# Altium PCB PCB.PcbDoc (continued)
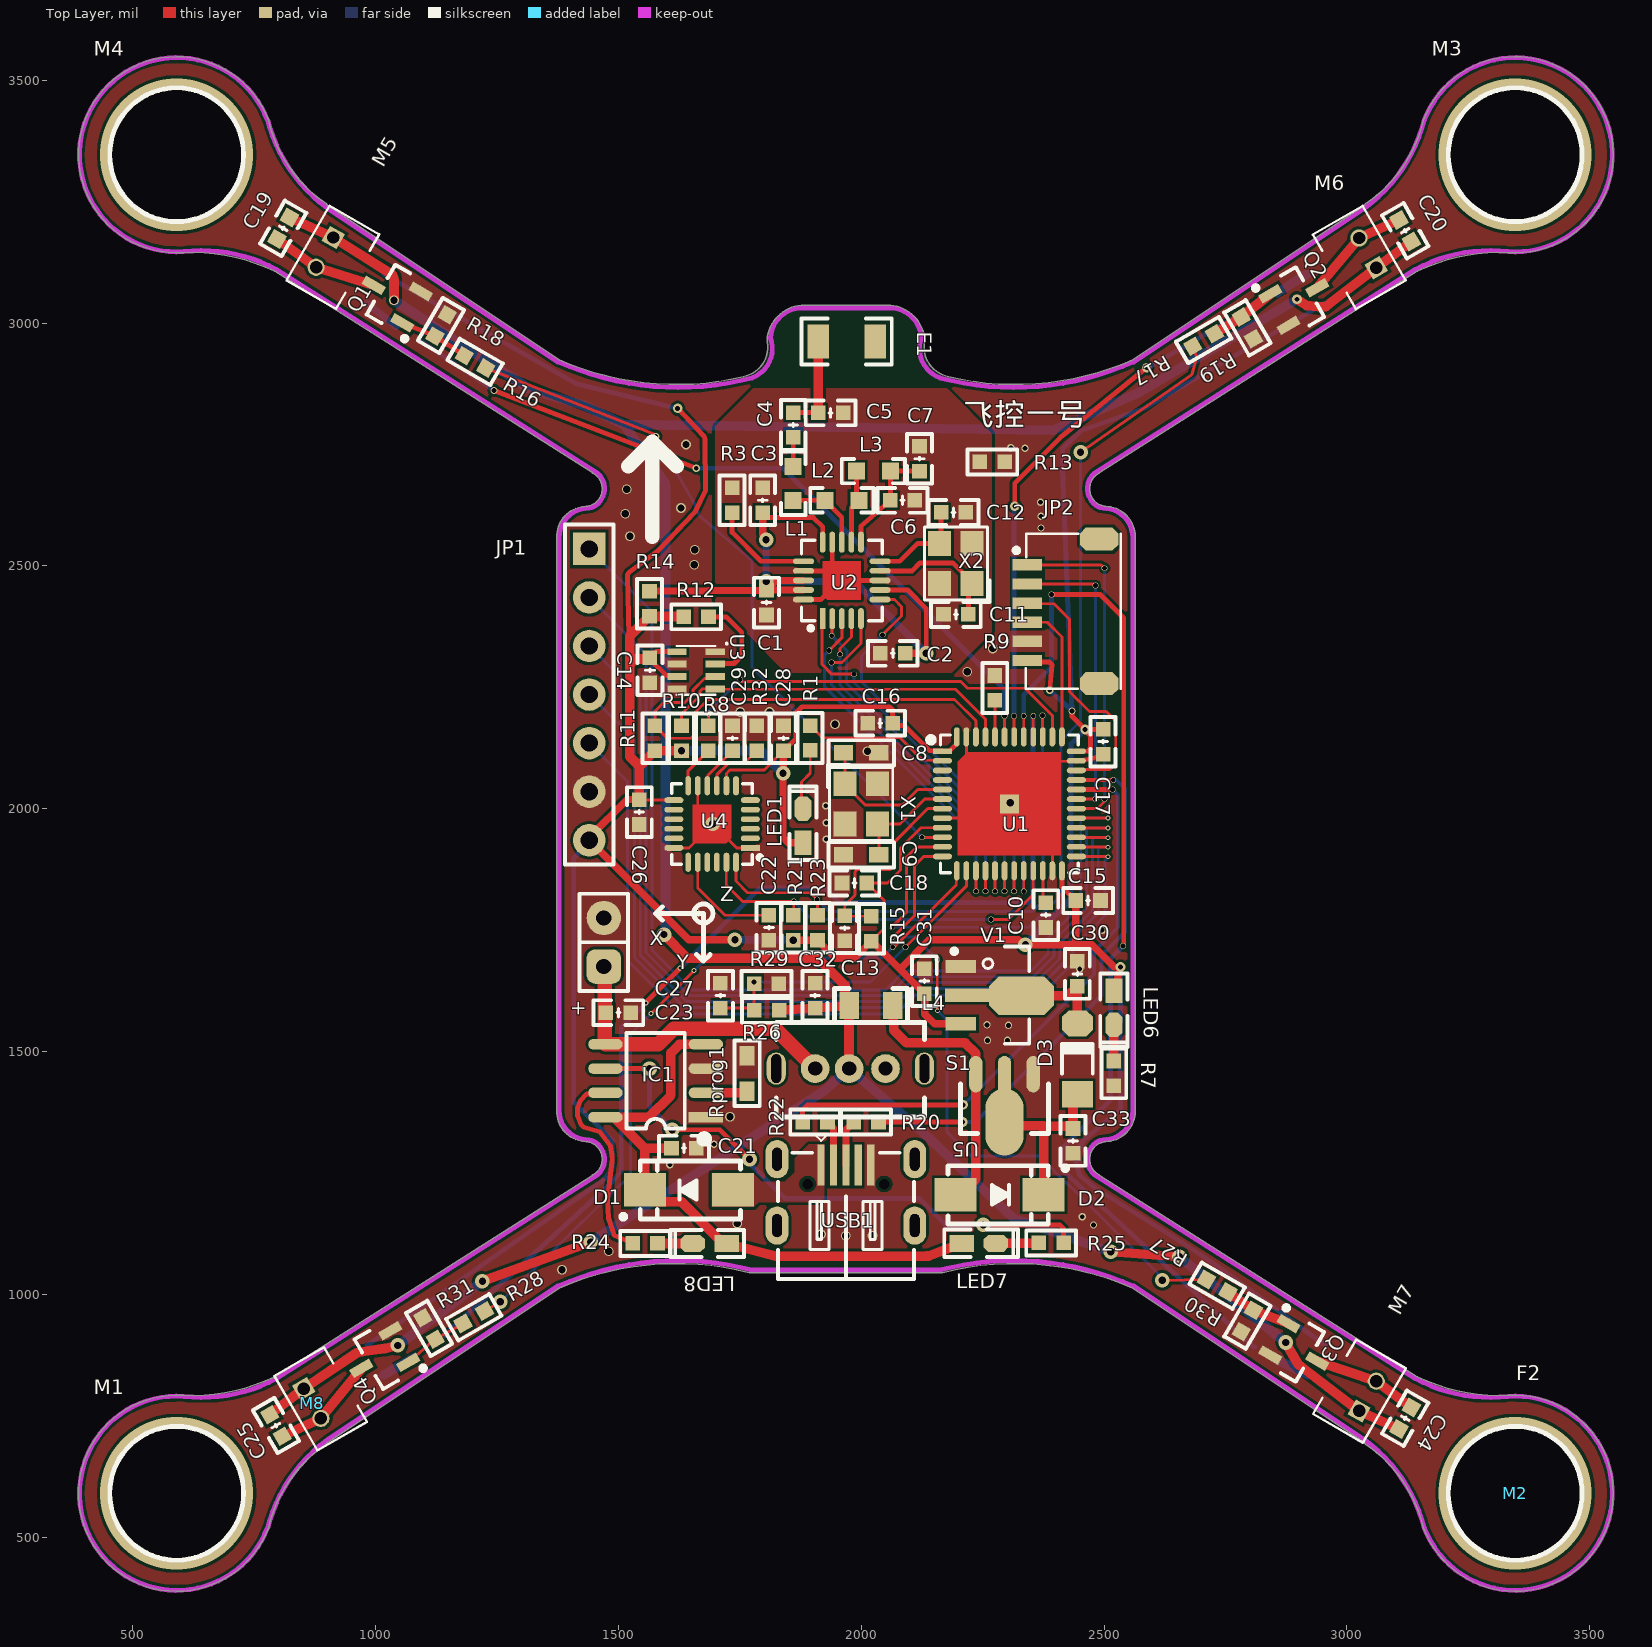
[diagram p0: Top Layer view]
## Footprints (in the part's own frame and the unit in brackets; to place one, negate y for a bottom-side part, rotate by r counter-clockwise, add the part's x,y. Pads: shape width x height; smd on the part's side, far side on the other; paste and mask are expansions set on the pad) (continued)
SMA [mm] "4.5x2.6*2.2mm（长宽高，不包括引脚）"
  rect 2.2x1.75 smd: 1(-2.3,0) 2(2.3,0)
  silkscreen extent -2.7,-1.52 3.56,1.52, body extent -2.53,-1.3 2.58,1.3, height 2.15
SOP8_N [mm] "5*6*1.8mm（长宽高）封装库来自淘宝卖家 ID：黄晶宝石"
  rect 1.8x0.55 smd: 1(-2.625,1.905)
  oval 1.8x0.55 smd: 2(-2.625,0.635) 3(-2.625,-0.635) 4(-2.625,-1.905) 5(2.625,-1.905) 6(2.625,-0.635) 7(2.625,0.635) 8(2.625,1.905)
  silkscreen extent -2.69,-2.5 1.52,3.2, body extent -3,-2.5 3,2.5, height 1.9
SOT23-3N [mm] "3x1.3x1mm(长宽高)    封装库来自淘宝卖家 ID：黄晶宝石"
  rect 0.5x1.2 smd: 1(-0.95,-1.143) 2(0.95,-1.143) 3(0,1.143)
  silkscreen extent -1.72,-1.78 1.5,0.7, body extent -1.5,-1.2 1.5,1.2, height 1.05
SOT89_M [mm] "4.6x4.3x1.6mm(长宽高) 封装库来自淘宝卖家 ID：黄晶宝石"
  rect 0.7x1.6 smd: 1(-1.5,-2.054) 3(1.5,-2.054)
  rect 0.7x2.4 smd: 2(0,-1.676)
  oct 2x3.4 smd: 2(0.025,1.118)
  silkscreen extent -2.54,-2.52 2.54,1.52, body extent -2.3,-2.4 2.3,1.9, height 1.6
SOT-89(SOT-89-3) [mm]
  oval 1.9x0.7 smd: 1(0,-1.5) 3(0,1.5)
  oval 3.5x2 smd: 2(-2.5,0)
  oval 2.1x0.7 smd: 2(-0.1,0)
  silkscreen extent -3.1,-2.3 -0.5,2.3, body extent -3.75,-2.25 0.55,2.25, height 1.51
SWITCH_PWR [mm]
  round 1.5 hole 0.75: 1(0,-2.032) 2(0,-3.81) 3(0,-5.715)
  oval 1.676x1 hole 0.5 slot 1.5 at 0 deg: ""(0,0) ""(0,-7.747)
  silkscreen extent -2.54,-7.75 2.41,0, body extent -1.85,-8.06 1.85,0.44, height 6.5
USB-MICRO_D [mm] "micro型USB ，6.7*7.5*2.5mm"
  oval 1.2x2 hole 0.5 slot 1.2 at 90 deg: 0(-3.6,0) 0(-3.6,3.47) 0(3.6,0) 0(3.6,3.47)
  round 0 hole 0.55 unplated: 0(-2,2.17) 0(2,2.17)
  rect 0.381x2.15 smd: 1(-1.3,3.16) 2(-0.65,3.16) 3(0,3.16) 4(0.65,3.16) 5(1.3,3.16)
  silkscreen extent -3.56,-2.79 3.56,4.81, body extent -3.99,-2.75 3.99,3.95, height 2.79

## Part data
+: "引线焊盘", BOM名称=引线焊盘, 版权归属="封装库来自淘宝 ID：黄晶宝石", 学习资源=https://shop463601444.taobao.com
C8 C9 C10 C13 C14 C15 C16 C17 C18 C19 C20 C21 C22 C23 C24 C25 C26 C27 C28 C29 C30 C31 C32 C33: library part C, "贴片电容", BOM名称=无极性贴片电容, 联系售后=https://shop463601444.taobao.com, 淘宝ID="封装库来自淘宝 ID：黄晶宝石"
D1 D2: "肖特基二极管", BOM名称=肖特基二极管, 封装库来自淘宝 ID：黄晶宝石=https://shop463601444.taobao.com, 属性=40V/1A
D3: "开关二极管", BOM名称=高速开关二极管, 欢迎光临=https://shop463601444.taobao.com, 淘宝ID="封装库来自淘宝 ID：黄晶宝石"
IC1: "锂电池充电管理", BOM名称=锂电池充电管理, 淘宝ID="封装库来自淘宝 ID：黄晶宝石", 学习资源=https://shop463601444.taobao.com
JP1: library part "Header 7", "7P接插件", BOM名称=7P接插件, 版权归属="封装库来自淘宝 ID：黄晶宝石", 学习资源=https://shop463601444.taobao.com
JP2: library part "Header 6", "6P接插件", BOM名称=6P接插件, 版权归属="封装库来自淘宝 ID：黄晶宝石", 学习资源=https://shop463601444.taobao.com
L1 L2 L3: library part Inductor_1, "电感", Code_IEC=1005, Code_JEITA=0402, LatestRevisionDate=17-Jul-2002, LatestRevisionNote="Re-released for DXP Platform.", PackageReference=0402-A, Published=8-Jun-2000, Publisher="Altium Limited"
L4: library part L, "小功率贴片电感", BOM名称=小功率贴片电感, 联系售后=https://shop463601444.taobao.com, 淘宝ID="封装库来自淘宝 ID：黄晶宝石"
LED1 LED2 LED3 LED4 LED5 LED6 LED7 LED8: library part LED-SMD, "贴片LED", BOM名称=贴片LED, 版权归属="封装库来自淘宝 ID：黄晶宝石", 学习资源=https://shop463601444.taobao.com
M5 M6 M7 M8: "Motor, General Kind", PackageReference=RB5-10.5, Published=8-August-2017, Publisher=mazhongwei
Q1 Q2 Q3 Q4: "N沟道场效应管", ="封装库来自淘宝 ID：黄晶宝石", BOM名称=N沟道场效应管, 学习资源=https://shop463601444.taobao.com
R1 R2 R4 R5 R6 R7 R8 R9 R10 R11 R12 R15 R16 R17 R18 R19 R20 R21 R22 R23 R24 R25 R26 R27 R28 R29 R30 R31 R32 Rprog1: library part R, "贴片电阻", BOM名称=贴片电阻, 版权归属="来自淘宝 ID：黄晶宝石", 联系售后=https://shop463601444.taobao.com
S1: "SPDT Subminiature Toggle Switch, Right Angle Mounting, Vertical Actuation", PackageReference=SWITCH_PWR, Published=10-August-2017, Publisher=mazhongwei
U2: library part nRF24L01
U3: library part FBM320, "气压计", PackageReference=LGA-2_5X2MM, Published=8-August-2017, Publisher=mazhongwei
USB1: "微型USB母座", BOM名称=微型USB母座, 学习资源=https://shop463601444.taobao.com
V1: library part HT71xx, "LDO线性稳压芯片", BOM名称=LDO线性稳压芯片, 版权归属="封装库来自淘宝 ID：黄晶宝石", 学习资源=https://shop463601444.taobao.com
X1 X2: library part XTAL-4P, "4脚无源晶振", BOM名称=4脚无源晶振, 版权归属=源创客, 学习资源=www.ooocke.com
C1 C2 C3 C4 C5 C6 C7 C11 C12: LatestRevisionDate=17-Jul-2002, LatestRevisionNote="Re-released for DXP Platform.", PackageDescription="Radial Cap, Thru-Hole; 2 Leads; 0.3 in Pin Spacing", PackageReference=RAD-0.3, Published=8-Jun-2000, Publisher="Altium Limited"
E1: PackageReference=R_1206, Published=12-August-2017, Publisher=mazhongwei
R3 R13 R14: LatestRevisionDate=17-Jul-2002, LatestRevisionNote="Re-released for DXP Platform.", PackageDescription="Axial Device, Thru-Hole; 2 Leads; 0.4 in Pin Spacing", PackageReference=AXIAL-0.4, Published=8-Jun-2000, Publisher="Altium Limited"

## Via types
v1: diameter 12, hole 10, Top Layer to Bottom Layer, tented both sides, 37 vias
v2: diameter 30, hole 15, Top Layer to Bottom Layer, tented both sides, 24 vias
v3: diameter 15, hole 10, Top Layer to Bottom Layer, tented both sides, 23 vias
v4: diameter 20, hole 15, Top Layer to Bottom Layer, tented both sides, 22 vias
v5: diameter 10, hole 6, Top Layer to Bottom Layer, tented both sides, 10 vias
v6: diameter 20, hole 10, Top Layer to Bottom Layer, tented both sides, 8 vias
v7: diameter 314.96, hole 279.53, Top Layer to Bottom Layer, tented both sides, 4 vias

## Nets (pads, with @x,y where several pads share a name; then routed paths per layer and width w, separated by ;. In a path a pad name is that pad's centre, name@x,y a point inside that pad or via, vN(x,y) a via of type N, cw(c..) or ccw(c..) an arc to the next point about the centre after c; other vN are vias at no path point)
+5: C33.2 D2.2 D3.1 U5.2 | length 363.1
  Top Layer w20: U5.2@2295,1355 2302.56,1347.44 2375.55,1347.44 ; D2.2 2375.55,1347.44 ; D3.1 2436,1402.97 C33.2 2431.59,1346 2376.99,1346 2375.55,1347.44
ADC: C27.2 R26.1 R29.2 U1.14 | length 680
  Top Layer w6: C27.2 1775.59,1589.41 R26.1@1779.41,1585.59 ; v1(1779.41,1643.33) R29.2 R26.1@1779.41,1585.59 ; R26.1 R26.1@1779.41,1585.59 ; v1(2091,1715) 2216.42,1840.42 U1.14
  Bottom Layer w6: v1(1779.41,1643.33) 2019.33,1643.33 v1(2091,1715)
BAT1: +.1 C23.2 IC1.5 S1.1 | length 640.1
  Top Layer w30: +.1 1471.65,1673.35 1471.65,1516.65 IC1.5 1581.73,1515 1613.56,1546.83 1823.17,1546.83 S1.1
D+: R20.2 U1.33 | length 1120.7
  Top Layer w8: U1.33 2442.9,2059.11 2518.89,2059.11 v1(2519,2059)
  Top Layer w10: R20.2 v6(2209,1355)
  Bottom Layer w8: v6(2209,1355) 2235,1355 2495,1615 2495,1698 2543,1746 2543,2041 2525,2059 v1(2519,2059)
D-: R22.2 U1.32 | length 1221
  Top Layer w10: R22.2 1879.41,1380.14 1889.46,1390.19 v6(2209.94,1390.19) ; U1.32 2517.48,2039.53 v1(2517.57,2039.62)
  Bottom Layer w8: v6(2209.94,1390.19) 2479,1659.25 2479,1706 2529,1756 2529,2028.19 v1(2517.57,2039.62)
GND: +.2 C8.2 C9.2 C10.2 C13.1 C14.1 C15.1 C16.1 C17.1 C18.1 C21.1 C22.1 C23.1 C26.2 C27.1 C28.1 C29.1 C30.1 C31.1 C32.1 C33.1 IC1.1 IC1.3 JP1.6 JP2.5 Q1.2 Q2.2 Q3.2 Q4.2 R7.2 R9.1 R13.1 R18.2 R19.2 R29.1 R30.2 R31.2 R32.2 Rprog1.1 U1.8 U1.23 U1.35 U1.47 U1.49 U3.1 U3.5 U3.7 U4.1 U4.11 U4.18 U5.1 USB1.5 V1.1 X1.2 X1.4 | length 536.9
  Top Layer w6: U4.18 1645.29,1919.29 1674,1948 ; U4.11 1663.39,1987.61 1665,1986 ; v2(1694,1969) 1743.71,1919.29 U4.1 ; U1.8 2234.53,1980.47 2235,1980 ; U1.47 2217,2091 ; 2385,2097 U1.35 ; 2393,1937 2393.58,1936.42 U1.23
  Top Layer w10: U1.35 2472.77,2102.27 C17.1
  other v2: 2307,2012
  other v3: 2478,1143 2455,1160 1606,1267 1697,1309 2260,1523 2301,1523 2303,1554 2259,1555 2450,1670 2496,1750 1928,1937 1928,1971 1927,2006 2370,2578 2370,2602 2369,2631 2337,2742 2308,2743
  other v4: 1384,1051 1480,1089 1968,1121 2023,1121 1917,1124 1745,1146 1730,1366 1659,1785 2013,2118 1946,2174 1751,2199 1811,2199 2218,2282 2271,2330 1656,2502 1657,2533 1524,2561 1514,2607 1629,2619 1517,2658 1639,2750
I2C1_SCL: R10.1 U1.45 U3.4 | length 739.4
  Top Layer w6: R10.1 1630,2195 1668,2233 1668,2242.03 1672.97,2247 1699.03,2247 1700.03,2246 2194,2246 2255.79,2184.21 U1.45
I2C1_SDA: R11.1 U1.46 U3.3 | length 971.6
  Top Layer w6: U3.3 1695.53,2268.31 1677.31,2268.31 1654,2245 1654,2235.97 1637.03,2219 1594,2219 1575,2200 R11.1 1600.59,2145 1650,2145 1658,2153 1658,2198 1685,2225 2192,2225 2236.1,2180.9 U1.46
I2C2_SCL: R21.1 U1.21 U4.23 | length 807.6
  Top Layer w6: U4.23 1722,1889.32 1722,1843 1756,1809 v1(1861,1809) 1861,1781.6 R21.1 ; v1(2267,1772) 2303,1772 2354.21,1823.21 U1.21
  Bottom Layer w6: v1(1861,1809) 1898,1772 v1(2267,1772)
I2C2_SDA: R23.1 U1.39 U4.24 | length 1165.9
  Top Layer w6: U4.24 1742.13,1850.87 1766,1827 1895,1827 1910,1812 R23.1 ; v1(2373.05,2192.15) 2373.47,2191.73 2373.47,2148.22 U1.39
  Bottom Layer w6: v1(1909,1813) 1934,1788 2352,1788 2373.9,1809.9 2373.9,2000.06 2373.05,2000.91 v1(2373.05,2192.15)
INT: R8.1 U4.12 | length 89.3
  Top Layer w6: U4.12 1643.7,2078.1 R8.1
LED0: R1.2 U1.2 | length 302.3
  Top Layer w6: R1.2 1920.11,2146.07 2079.93,2146.07 2126.31,2099.69 2166.09,2099.69 U1.2
LED1: R2.2 U1.43 | length 1556.3
  Top Layer w6: v1(2295,2191) 2295,2147.95 U1.43
  Top Layer w10: v3(1244,2861) v3(1660.45,2700.95)
  Bottom Layer w10: R2.2 v3(1244,2861) ; v3(1660.45,2700.95) 1663.27,2701 1839,2701 2295,2245 v1(2295,2191)
LED2: R4.2 U1.42 | length 1141.7
  Top Layer w6: U1.42 v1(2314.84,2191)
  Top Layer w10: v6(2316,2623) 2316,2670 2410,2764 v6(2588,2908)
  Bottom Layer w10: v1(2314.84,2191) v6@2314.84,2623 ; v6@2590,2908 R4.2
LED3: R5.2 U1.41 | length 2212.3
  Top Layer w6: U1.41 v1(2334.53,2191)
  Top Layer w10: v1(2392,2441) 2492,2441 2540.37,2392.63 2540.37,1718.37 v1(2539,1717)
  Bottom Layer w10: v1(2334.53,2191) 2334.53,2234.53 2392,2292 v1(2392,2441) ; v1(2539,1717) 2513,1691 2513,1400 2415.93,1302.93 ccw(c2423,1295.86) 2413,1295.86 2413,1261.84 ccw(c2423,1261.84) 2416.2,1254.51 2804.95,894.27 ccw(c2811.75,901.61) R5.2
LED4: R6.2 U1.40 | length 2222.8
  Top Layer w6: U1.40 v1(2354.21,2191)
  Top Layer w10: v5(1557,1600) 1557,1602 v5(1627,1672)
  Bottom Layer w10: R6.2@1122.16,897.8 1479.27,1223.22 ccw(c1429.53,1277.8) 1486.27,1230.53 1506,1254.22 1506,1550 1507,1550 v5(1557,1600) ; v5(1627,1672) 1792,1837 1924,1837 1954,1807 2258,1807 2258.51,1806.49 2344.51,1806.49 2354,1815.97 2354,2190.79 v1(2354.21,2191)
NetC4_1: C4.1 L1.2 | length 59.4
  Top Layer w10: L1.2 C4.1
NetC4_2: C4.2 C5.2 E1.1 | length 206.4
  Top Layer w10: C4.2 C5.2@1918.23,2815.59
  Top Layer w20: C5.2@1908.41,2815 1911.34,2817.93 E1.1
NetC6_2: C6.2 C7.2 L3.2 U2.11 | length 233.4
  Top Layer w10: U2.11 1999.37,2581.37 2027.5,2606.5 C6.2 2060,2635.59 L3.2 C7.2
NetC8_1: C8.1 U1.5 X1.1 | length 297.8
  Top Layer w6: C8.1 1966.54,2111.96 X1.1 1966.54,2049.37 2007.91,2008 2085,2008 2116.53,2039.53 U1.5
NetC9_1: C9.1 U1.6 X1.3 | length 220.2
  Top Layer w6: C9.1@2035,1904.67 C9.1@2035,1905 ; C9.1 2036.5,1965.63 X1.3 2079.66,1968.66 2130.84,2019.84 U1.6
NetC10_1: C10.1 U1.22 | length 65.1
  Top Layer w6: U1.22 2373.9,1808.69 C10.1@2375,1807.59
NetC11_2: C11.2 U2.9 X2.1 | length 282.1
  Top Layer w10: U2.9 2104.69,2489.68 2121,2506 2188.09,2506 2228.46,2465.63 X2.1 2220.59,2455.78 C11.2
NetC12_2: C12.2 U2.10 X2.3 | length 203
  Top Layer w10: U2.10 2079.29,2509.37 2116.26,2546.34 X2.3 2164.41,2549.22 C12.2
NetC13_2: C13.2 R15.1 U1.7 | length 416.8
  Top Layer w6: R15.1 1967,1778.59 C13.2 1966,1801 1987,1822 1987,1870 1992,1875 2060,1875 2069,1884 2069,1932 2137.16,2000.16 U1.7
NetC19_1: C19.1 M5.2 Q1.3 | length 223.3
  Top Layer w20: C19.1 M5.2 Q1.3
NetC20_1: C20.1 M6.2 Q2.3 | length 224
  Top Layer w20: Q2.3 M6.2 C20.1
NetC21_2: C21.2 D1.2 IC1.4 IC1.8 LED7.1 LED8.1 | length 1259.2
  Top Layer w20: IC1.8 IC1.8@1489.57,1365 ; C21.2 1555.33,1301 1554.45,1300.12 ; IC1.4 1625.57,1515 1608,1497.43 1608,1410 1563,1365 IC1.8@1489.57,1365 ; LED7.1 2139,1079 2135.31,1078.99 1829.53,1078.01 1826.97,1078.01 1824.52,1078.64 LED8.1 1715.5,1104.74 1665,1155.24 1665,1156 1630.45,1190.55 1578.9,1190.55 D1.2 1554.45,1300.12 ; IC1.8@1489.57,1365 1554.45,1300.12
NetC22_2: C22.2 U4.20 | length 223
  Top Layer w6: U4.20 1663.39,1836.61 1719.41,1780.59 C22.2
NetC24_1: C24.1 M7.2 Q3.3 | length 218.6
  Top Layer w20: Q3.3 M7.2 C24.1
NetC25_1: C25.1 M8.2 Q4.3 | length 220.2
  Top Layer w20: C25.1 M8.2 Q4.3
NetC29_2: C29.2 U4.10 | length 93.7
  Top Layer w6: U4.10 1684.18,2048.36 1684.18,2068.6 C29.2
NetC30_2: C30.2 D3.2 V1.2 | length 199.4
  Top Layer w20: V1.2@2330,1615 2425.58,1615 C30.2 D3.2
NetD2_1: D2.1 L4.2 U5.3 | length 553.3
  Top Layer w20: L4.2 2066.93,1543.96 2092.89,1518 2213.94,1518 2235.94,1496 U5.3 2235.94,1237.64 2203.31,1205 D2.1
NetIC1_2: IC1.2 Rprog1.2 | length 86.4
  Top Layer w20: IC1.2 1680.32,1415.32 1761.82,1415.32 Rprog1.2
NetIC1_6: IC1.6 R25.2 | length 1159.9
  Top Layer w10: IC1.6 v2(1564,1465) ; v2(1611,1339) 1709,1339 v2(1770,1278) ; v2(2251,1143) 2409,1143 2416.59,1135.41 R25.2
  Bottom Layer w10: v2(1564,1465) 1564,1386 v2(1611,1339) ; v2(1770,1278) 1770,1270.41 1842.86,1197.54 2119.14,1197.54 2173.68,1143 v2(2251,1143)
NetIC1_7: IC1.7 R24.1 | length 417.5
  Top Layer w10: IC1.7 1471.08,1412.77 1435,1412.77 1421.39,1398.64 1416,1384.5 1416,1367 1422.5,1350.5 1429,1344 1461.91,1334.69 1484.03,1305.83 1486.81,1285.87 cw(c1429.53,1277.8) 1486.08,1265.63 ; 1486.08,1265.62 1477.8,1195.02 1479.52,1156.98 1491.11,1121.82 R24.1
NetL1_1: L1.1 L2.2 U2.13 | length 165.8
  Top Layer w10: L1.1 L2.2 1960,2600 U2.13
NetL2_1: L2.1 L3.1 U2.12 | length 154.7
  Top Layer w10: U2.12 1979.69,2619.68 L2.1 1990,2640 L3.1
NetLED1_2: LED1.2 R1.1 | length 128.7
  Top Layer w6: LED1.2 1877,2003 1877,2055 1895,2073 R1.1
NetLED2_2: LED2.2 R2.1 | length 76.7
  Bottom Layer w15: LED2.2 1016.37,3013.34 R2.1
NetLED3_2: LED3.2 R4.1 | length 71.3
  Bottom Layer w20: R4.1 LED3.2
NetLED4_2: LED4.2 R5.1 | length 72.3
  Bottom Layer w20: R5.1 LED4.2
NetLED5_2: LED5.2 R6.1 | length 70.6
  Bottom Layer w20: LED5.2 R6.1
NetLED6_2: LED6.2 R7.1 | length 74.4
  Top Layer w20: R7.1 LED6.2
NetLED7_2: LED7.2 R25.1 | length 88.4
  Top Layer w20: LED7.2 R25.1
NetLED8_2: LED8.2 R24.2 | length 72.5
  Top Layer w20: R24.2 1580.72,1104.87 1652.87,1104.87 LED8.2
NetQ1_1: Q1.1 R16.1 R18.1 | length 144.9
  Top Layer w10: Q1.1 R18.1 R16.1
NetQ2_1: Q2.1 R17.1 R19.1 | length 141.7
  Top Layer w20: R17.1 R19.1 Q2.1
NetQ3_1: Q3.1 R27.1 R30.1 | length 141.9
  Top Layer w20: R27.1 R30.1 Q3.1
NetQ4_1: Q4.1 R28.1 R31.1 | length 138.5
  Top Layer w6: Q4.1 R31.1 R28.1
NetR3_1: R3.1 U2.16 | length 212.4
  Top Layer w10: R3.1 1734,2569 1793.63,2509.37 U2.16
NetR8_2: R8.2 U1.38 | length 839.8
  Top Layer w6: R8.2 1686,2171.59 v1(1686,2196) ; v1(1751,2266) 1755,2262 2205,2262 2219,2248 2337,2248 2393.58,2191.42 U1.38
  Bottom Layer w6: v1(1686,2196) 1686,2201 v1(1751,2266)
NetR9_2: R9.2 U1.44 | length 75.4
  Top Layer w6: R9.2 2275.47,2222.53 U1.44
NetR12_1: R12.1 U3.2 | length 191.4
  Top Layer w10: R12.1 1722,2395 1754,2363 1754,2315 1738,2299 1700.62,2299 U3.2
NetR20_1: R20.1 USB1.3 | length 95.4
  Top Layer w15: USB1.3 1968.5,1339.09 R20.1
NetR22_1: R22.1 USB1.2 | length 94
  Top Layer w15: R22.1 1942.91,1342.68 USB1.2
NetR32_1: R32.1 U4.9 | length 125.4
  Top Layer w6: U4.9@1702.72,2047.28 1702.72,2069.72 1726,2093 1758.6,2093 R32.1
PA8: JP1.1 U1.29 | length 2187
  Top Layer w6: U1.29 2443.06,1980.74 2507.74,1980.74 v5(2508,1981) ; v5@2509.74,1980.74 v5@2510,1981
  Bottom Layer w6: JP1.1 1569,2406 1569,1708.71 1650.71,1627 2050.29,1627 2089.29,1666 2349.29,1666 2385,1701.71 2385,1733.71 2452,1800.71 2452,1977 2456,1981 v5(2508,1981)
PB12: JP1.5 U1.25 | length 1800.5
  Top Layer w6: U1.25 2443.16,1901.37 v5@2507.63,1901.37 ; v5@2509.63,1901.37 v5@2510,1901
  Bottom Layer w6: JP1.5 1519,2056 1519,1688 1630,1577 2071,1577 2110,1616 2370,1616 2435,1681 2435,1713 2502,1780 2502,1894 2508,1900 v5(2508,1901)
PB13: JP1.4 U1.26 | length 1895.6
  Top Layer w6: U1.26 2443.15,1921.06 2507.64,1921.06 v5(2508,1920.7) ; v5@2509.64,1921.06 v5@2510,1920.7
  Bottom Layer w6: JP1.4 1533,2142 1533,1693.8 1635.8,1591 2065.2,1591 2104.2,1630 2364.2,1630 2421,1686.8 2421,1718.8 2488,1785.8 2488,1917.19 2491.51,1920.7 v5(2508,1920.7)
PB14: JP1.3 U1.27 | length 1992.5
  Top Layer w6: U1.27 2443.25,1940.65 2507.55,1940.65 v5(2508,1940.2) ; v5@2509.55,1940.65 v5@2510,1940.2
  Bottom Layer w6: JP1.3 1545,2230 1545,1698.77 1640.77,1603 2060.23,1603 2099.23,1642 2359.23,1642 2409,1691.77 2409,1723.77 2476,1790.77 2476,1936.69 2479.51,1940.2 v5(2508,1940.2)
PB15: JP1.2 U1.28 | length 2089.4
  Top Layer w6: U1.28 2443.19,1960.39 2507.61,1960.39 v5(2508,1960) ; v5@2509.61,1960.39 v5@2510,1960
  Bottom Layer w6: JP1.2 1557,2318 1557,1703.74 1645.74,1615 2055.26,1615 2094.26,1654 2354.26,1654 2397,1696.74 2397,1728.74 2464,1795.74 2464,1956.49 2467.51,1960 v5(2508,1960)
PWM1: R16.2 U1.10 | length 1464.4
  Top Layer w6: R16.2 1573.17,2771.5 1574.33,2771.05 1576.98,2768.4 v3@1576.98,2766.47 ; v1(2125.1,1941.1) U1.10
  Bottom Layer w6: v3(1576.95,2766.45) 1658.29,2625.12 1667.25,2603.08 ccw(c1672.8,2605.34) 1668.93,2600.76 1775,2511.04 1775,2291.2 v1(2125.1,1941.1)
PWM2: R17.2 U1.11 | length 1884.5
  Top Layer w6: v1(2063,1756) 2093,1786 2093,1900 2114.42,1921.42 U1.11 ; v2(2451.63,2733.63) 2679.22,2892.76 2679.65,2893.06 2681.15,2894.56 2690.64,2929.41 R17.2
  Bottom Layer w6: v1(2063,1756) 2346,1756 2411,1821 2411,2139.87 2451.63,2180.5 v2(2451.63,2733.63)
PWM3: R27.2 U1.12 | length 1367.7
  Top Layer w6: v1(2064,1736) 2065.62,1736 2068.62,1739 2069,1739 2110,1780 2110,1883 2128.73,1901.73 U1.12 ; v1(2156.5,1689.5) 2156.5,1584.5 v5(2157,1584) ; v2(2620,1029) R27.2
  Bottom Layer w6: v1(2064,1736) 2110,1736 v1(2156.5,1689.5) ; v5(2157,1584) 2177,1564 2177,1334 2226,1285 2366.45,1285 cw(c2366.45,1279) 2370.88,1283.05 2405.34,1245.6 ; 2406.64,1244.28 2434.55,1218.18 ; 2435.36,1217.38 2451.71,1202.24 2620,1033.94 v2(2620,1029)
PWM4: R28.2 U1.13 | length 1529.7
  Top Layer w6: R28.2 v2(1257,985) ; v5(1567,1578) v5(1656,1667) ; v1(2065,1715) 2067.8,1715 2195.62,1842.82 2195.62,1871.09 U1.13
  Bottom Layer w6: v2(1257,985) 1525,1246 1525,1536 v5(1567,1578) ; v5(1656,1667) 1682,1693 2043,1693 v1(2065,1715)
RF_3V3: C1.1 C2.1 C3.1 R14.2 U2.7 U2.15 U2.18 U2.19 | length 1350.9
  Top Layer w10: C3.1 1807,2599.41 1901.59,2599.41 1920.63,2580.37 U2.15 ; U2.7 2095.69,2450.32 2134,2412 v2(2134,2320)
  Top Layer w15: R14.2 1804.68,2450 C1.1 C1.1@1805.16,2450.16 ; C3.1 1797,2565.06 1804,2558.06 v2(1804,2554) ; U2.19 1881.1,2450.16 C1.1@1805.16,2450.16 ; U2.18 1825,2470 C1.1@1805.16,2450.16 ; C2.1 v2(2134,2320)
  Bottom Layer w15: v2(1804,2554) 1804,2468.5 v2(1804.5,2468) 1986,2468 v2(2134,2320)
RF_CE: U1.19 U2.1 | length 794.9
  Top Layer w6: U2.1 1919,2389.63 1919,2297.21 1939.21,2277 v1(1985,2277) ; v1(2314.84,1830) U1.19
  Bottom Layer w6: v1(1985,2277) 1985,2259.91 2314.84,1930.07 v1(2314.84,1830)
RF_CSN: U1.18 U2.2 | length 752
  Top Layer w6: v1(1939.4,2356.19) 1939.85,2356.65 1939.85,2390.8 U2.2 ; v1(2295.16,1830) U1.18
  Bottom Layer w6: v1(1939.4,2356.19) 1971,2324.59 1971,2311.79 1970,2310.79 1970,2257.94 2295.16,1932.78 v1(2295.16,1830)
RF_GND: C1.2 C2.2 C3.2 C5.1 C6.1 C7.1 C11.1 C12.1 R3.2 R13.2 U2.8 U2.14 U2.17 U2.20 X2.2 X2.4 | length 293.6
  Top Layer w10: U2.20 1916.63,2430.63 1949,2463 ; U2.17 1944.31,2489.68 ; U2.14 1940.31,2493.68 1944.31,2489.68 ; 1946,2488 1944.31,2489.68 ; 1957,2481 1968,2470 U2.8
RF_IRQ: U1.20 U2.6 | length 851.3
  Top Layer w6: U2.6 2068.37,2430.63 2083,2416 2083,2397 v1(2044,2358) ; v1@2334.53,1830 U1.20
  Bottom Layer w6: v1(2044,2358) 2000.29,2314.29 2000.29,2261.59 2334.46,1927.42 v1(2334.46,1829.89)
RF_MISO: U1.16 U2.5 | length 772.1
  Top Layer w6: v1(1939,2301) 1960.21,2301 1999.37,2340.16 U2.5 ; v1(2255.79,1830) U1.16
  Bottom Layer w6: v1(1939,2301) 1939,2255 2255.79,1938.21 v1(2255.79,1830)
RF_MOSI: U1.17 U2.4 | length 745.6
  Top Layer w6: v1(1956,2318) 1956,2330 1979.69,2353.68 U2.4 ; v1(2275.47,1830) U1.17
  Bottom Layer w6: v1(1956,2318) 1956.25,2317.75 1956.25,2254.72 2275.47,1935.5 v1(2275.47,1830)
RF_SCK: U1.15 U2.3 | length 747.7
  Top Layer w6: v1(1934,2326) 1960,2352 U2.3 ; v1(2236.1,1830) U1.15
  Bottom Layer w6: v1(1934,2326) 1924,2316 1924,2252 2236.1,1939.9 v1(2236.1,1830)
SWCLK: JP2.4 U1.37 | length 289.7
  Top Layer w6: JP2.4 2383.11,2383.89 2413.27,2353.73 U1.37
SWIO: JP2.3 U1.34 | length 544.3
  Top Layer w6: JP2.3 2343.26,2422 2397,2422 2429,2390 2429,2241 2470,2200 2504.32,2200 2524,2180.32 2524,2092.94 2511.57,2080.5 2444.4,2080.5 U1.34
USART1_RX: JP2.2 U1.31 | length 620.2
  Top Layer w6: JP2.2 2478.84,2462.63 v1(2482.24,2459.24) ; U1.31 2481.84,2019.84 v1(2482.24,2020.24)
  Bottom Layer w6: v1(2482.24,2020.24) v1(2482.24,2459.24)
USART1_TX: JP2.1 U1.30 | length 706.3
  Top Layer w6: JP2.1 2494,2502 v1(2501,2495) ; U1.30 2486.16,2000.16 2501,2015 v1(2501,2020)
  Bottom Layer w6: v1(2501,2020) v1(2501,2495)
V3.3: C14.2 C15.2 C16.2 C17.2 C18.2 C26.1 C28.2 C31.2 JP1.7 JP2.6 LED1.1 LED2.1 LED3.1 LED4.1 LED5.1 LED6.1 R10.2 R11.2 R12.2 R14.1 R15.2 R21.2 R23.2 U1.1 U1.9 U1.24 U1.36 U1.48 U3.6 U3.8 U4.8 U4.13 V1.3 | length 9839.3
  Top Layer w6: C26.1 1543.87,2017.72 U4.13 ; U4.8 1722.44,2072.47 1729.99,2080.01 1800.6,2080.01 C28.2@1839,2118.42 ; R15.2 2047,1753.42 2047,1811.58 C18.2 2054,1847 2081,1874 2081,1919 2122.79,1960.79 U1.9
  Top Layer w10: 1523.41,2296.41 1521.84,2355.77 1518.6,2478.69 cw(c1528.6,2478.96) 1522.57,2486.94 1580.92,2530.94 1581.48,2531.5 1581.55,2531.57 1658.5,2611.48 1679.68,2656.2 1677.97,2761.58 ccw(c1667.98,2761.04) 1675.25,2767.91 v6(1621.96,2824.22) ; U3.6 1619.02,2271.4 cw(c1614.42,2280.28) 1611.39,2270.74 1600.27,2274.28 cw(c1603.3,2283.81) 1596.3,2276.66 1567.96,2304.41 cw(c1574.96,2311.56) C14.2 1577.8,2323.39 U3.8 ; C28.2@1839,2118.42 C28.2 1866,2145.41 1866,2198 1878,2210 2058.73,2210 2064.59,2204.14 C16.2 2069.31,2171.27 2088.73,2171.27 2140.83,2119.17 2166.3,2119.17 U1.1 2180.98,2118.27 2196.73,2134.02 U1.48 ; JP2.6 2345.15,2302 2387.14,2302 2393,2296.14 v3(2388,2244) ; U1.24 2413.27,1839.15 C15.2 ; v3(2434,2201) 2434,2190 v6(2461,2163) ; U1.36 2466.15,2118.27 2472,2124.13 2472,2150 2461,2161 v6(2461,2163) ; C17.2 2497.42,2163 v6(2461,2163)
  Top Layer w15: C26.1 1542.59,2019 1518,2019 1440,1941 JP1.7 1645,1730 v2(1740,1730) ; C28.2@1839,2118.42 1839.5,2117.92 1839.5,2073.5 v2(1839,2073) 1839,1940.79 1849.79,1930 LED1.1 ; v2(1860,1729.41) R23.2 1947.41,1692 1985.58,1692 R15.2 2028.5,1719.91 2029.5,1719.91 2079.75,1669.66 ; V1.3 2151.06,1556.94 2131,1577 2131,1618.41 C31.2 2079.75,1669.66 ; C15.2 2441.41,1724.41 2437,1720 ; LED6.1 2521,1628.5 v6(2534,1674) ; 2521,1674 2475,1720 2437,1720 ; 2079.75,1669.66 2140.08,1730 2323.94,1730 2333.94,1720 2437,1720
  Top Layer w20: C26.1 1543,2087.41 ; C14.2 1562.54,2308.13 1535.13,2308.13 1523.41,2296.41 ; v2(1630,2119.41) R11.2 1543,2087.41 ; R12.2 1633.71,2395.7 1564.7,2395.7 R14.1 1523.41,2355.81 1523.41,2296.41 ; 1523.41,2296.41 1523.41,2107 1543,2087.41
  Bottom Layer w10: LED5.1 1462.63,1230.36 ccw(c1429.53,1277.8) 1477.62,1245.65 1487.38,1260.25 1487.38,1300.25 1487,1300.63 1487,1317 1408,1396 1408,1898.46 1440,1930.46 JP1.7 ; LED2.1 1412.74,2875.24 ccw(c1417.69,2883.93) 1415.34,2874.21 v6(1621.96,2824.22) ; v3(2388,2244) v3(2434,2201) 2414.13,2699.73 2414.15,2700.94 2414.92,2737.9 2415,2741.92 2417.89,2744.82 2420.85,2747.69 2450.43,2776.47 2452,2778 2582.91,2824.43 2944.83,3035.23 LED3.1 ; 2432,1814 2432,2134 v6(2461,2163) ; v6(2534,1674) 2533,1442.1 2533,1441.98 2533.92,1386.75 2533.92,1386.67 2533.92,1382.44 2530.69,1379.21 2458,1318 2441.87,1290.23 2440.52,1287.9 2440.52,1284.26 2441.27,1280.31 2448.17,1249.38 2448.81,1246.54 2451.22,1244.13 2481.55,1219.37 2482,1219 2484.95,1217.11 2665.69,1103.61 2736.8,1056.13 2737,1056 2737.79,1055.42 LED4.1
  Bottom Layer w15: v2(1740,1730) 1859.41,1730 v2(1860,1729.41) ; v2(2338,1720) 2432,1814
  Bottom Layer w20: v2(1630,2119.41) 1792.59,2119.41 v2(1839,2073)
VBAT: C19.2 C20.2 C24.2 C25.2 C32.2 L4.1 M5.1 M6.1 M7.1 M8.1 R26.2 S1.2 | length 7184.9
  Top Layer w20: C25.2 M8.1 961.85,879.71 984.54,883.83 1019.02,888.56 v2(1046,895) ; C19.2 M5.1 1028.57,3103.65 1030.49,3102.45 1036.47,3096.47 1037.96,3088.56 v4(1038,3047) ; v2(1220,1027) v2(1443,1108) ; v2(1593.85,1740.85) 1642.69,1692 1911,1692 1966.54,1636.46 1966.54,1603.46 L4.1 ; R26.2 C32.2 1967.26,1594.38 L4.1 ; S1.2 L4.1 ; v2(2514,1088) v2(2654.92,1077.61) ; v2@2874,900 2897.59,859.16 2903.77,852.98 M7.1 C24.2 ; v6(2897,3049) 2916.81,3036.17 2940.83,3033.26 2955.93,3033.26 2961.32,3037.41 M6.1 C20.2
  Bottom Layer w20: v4(1038,3047) 1317.51,2863.63 1320,2862 1427.47,2830.45 1429,2830 1511.28,2790.83 ; v2(1046,895) v2(1220,1027) ; v2(1443,1108) 1923.86,1419.47 S1.2 2126.65,1333.72 2314,1156 v2(2514,1088) ; v2(1593.85,1740.85) ccw(c1577,1751.63) 1597,1751.69 1597,2663.72 ccw(c1577,2663.72) 1593.27,2675.35 1511.28,2790.83 ; v2(2654.92,1077.61) v2(2874,901) ; v6(2897,3049) 2572.38,2857.13 2550.59,2847.59 2394.13,2779.06 2389.81,2779.06 2389.67,2779.06 2244.83,2781.03 2244.7,2781.03 1511.28,2790.83
VCC: D1.1 USB1.1
pads on no net: E1.0 JP2.A JP2.B S1. S1.3 U1.3 U1.4 U4.2 U4.3 U4.4 U4.5 U4.6 U4.7 U4.14 U4.15 U4.16 U4.17 U4.19 U4.21 U4.22 USB1.0 USB1.4
copper on no net:
  other v7: 590.55,590.55 3346.46,590.55 590.55,3346.46 3346.46,3346.46

## Polygon pours and split planes (outlines as drawn)
GND on Top Layer "NONET_L01_P-001" (solid, remove dead copper, pour order 2): 317,3609 292,3584 292,346 3487,346 3577,436 3577,3450 3475,3552
RF_GND on Top Layer "NONET_L01_P-001" (solid, remove dead copper, pour order 1): 2269,2773 2269,2363 2186,2280 1845,2280 1699,2426 1699,2787 1778,2866 2176,2866
VCC on Top Layer "NONET_L01_P-001" (solid, pour order 0): 1924,1197 1924,1309 1892,1309 1863,1280 1863,1252 1843,1232 1795,1232 1778,1249 1692,1249 1692,1180 1779,1180 1789,1190 1917,1190
GND on Bottom Layer "NONET_L01_P-001" (solid, remove dead copper, pour order 3): 351,3600 356,3595 356,418 357,418 424,351 3475,351 3579,455 3579,3481 3498,3562

## Keep-outs
Keep-Out Layer:
  lines w10: 777.33,519.11 cw(c590.55,590.55) 605,790 ccw(c642.5,1112.5) 796.73,826.8 1451.96,1242.44 ; 777.33,3417.9 ccw(c590.55,3346.46) 605,3147.01 cw(c642.5,2824.51) 796.73,3110.21 1451.96,2694.57 ; 777.81,518.99 cw(c1090,440) 900,700 1375,1017.01 ; 777.81,3418.02 ccw(c1090,3497.01) 900,3237.01 1375,2920 ; 1375.34,1016.26 cw(c1622.5,472.5) 1775,1050 2162.01,1050 cw(c2314.51,472.5) 2561.67,1016.26 ; 1375.34,2920.75 ccw(c1622.5,3464.51) 1775,2887.01 ccw(c1753.01,2947.01) 1813.01,2969 cw(c1878.51,2965.5) 1882.01,3031 2055,3031 cw(c2058.5,2965.5) 2124,2969 ccw(c2184,2947.01) 2162.01,2887.01 ccw(c2314.51,3464.51) 2561.67,2920.75 ; 1451.73,1242.33 ccw(c1429.53,1277.8) 1465,1300 ccw(c1435,1285) 1439.74,1318.2 cw(c1438.77,1378.97) 1378,1378 1378,2559.01 cw(c1438.77,2558.03) 1439.74,2618.8 ccw(c1435,2652.01) 1465,2637.01 ccw(c1429.53,2659.21) 1451.73,2694.68 ; 2485.05,1242.44 3140.28,826.81 ccw(c3294.51,1112.5) 3332.01,790 cw(c3346.46,590.55) 3159.68,519.11 ; 2485.05,2694.57 3140.28,3110.2 cw(c3294.51,2824.51) 3332.01,3147.01 ccw(c3346.46,3346.46) 3159.68,3417.9 ; 2485.28,1242.33 cw(c2507.48,1277.8) 2472.01,1300 cw(c2502.01,1285) 2497.26,1318.2 ccw(c2498.24,1378.97) 2559.01,1378 2559.01,2559.01 ccw(c2498.24,2558.03) 2497.26,2618.8 cw(c2502.01,2652.01) 2472.01,2637.01 cw(c2507.48,2659.21) 2485.28,2694.68 ; 2562.01,1017.01 3037.01,700 cw(c2847.01,440) 3159.2,518.99 ; 2562.01,2920 3037.01,3237.01 ccw(c2847.01,3497.01) 3159.2,3418.02

## Silkscreen, mask and mechanical layers (free items; w line width, h text height)
Top Overlay:
  circle w10: c1675,1784.21 r19.68
  circle w10: c590.55,590.55 r137.8
  circle w10: c3346.46,590.55 r137.8
  circle w10: c3346.46,3346.46 r137.8
  circle w10: c590.55,3346.46 r137.8
  lines w10: 1590.49,1770.29 1576.57,1784.21 ; 1590.49,1798.13 1576.57,1784.21 ; 1661.08,1699.71 1675,1685.79 ; 1688.92,1699.71 1675,1685.79 ; 1576.57,1784.21 1675,1784.21 1675,1685.79
  lines w30: 1520,2705 1570,2755 ; 1570,2560 1570,2755 ; 1620,2705 1570,2755
  text "飞控一号" at 2210.54,2774.24 h80
  text "Z" at 1710,1809.01 h30
  text "X" at 1565,1719.01 h30
  text "Y" at 1620,1669.01 h30
Bottom Overlay:
  text "PA8" at 1720.97,2507.02 h60
  text "TX" at 2250.99,2507.01 h30
  text "RX" at 2241.99,2458.01 h30
  text "SWIO" at 2245.48,2407.01 h30
  text "PB15" at 1720.97,2399.02 h60
  text "CLK" at 2240.99,2353.01 h30
  text "PB14" at 1720.97,2306.02 h60
  text "GND" at 2243.99,2305.01 h30
  text "3V3" at 2245.99,2249.01 h30
  text "PB13" at 1720.97,2209.02 h60
  text "PB12" at 1720.97,2105.02 h60
  text "GND" at 1720.97,2006.02 h60
  text "3V3" at 1720.97,1902.02 h60
  text "GND" at 1712.97,1745.02 h60
  text "BAT" at 1708.97,1638.02 h60